# Altium PCB FisioV2.2.PcbDoc (continued)
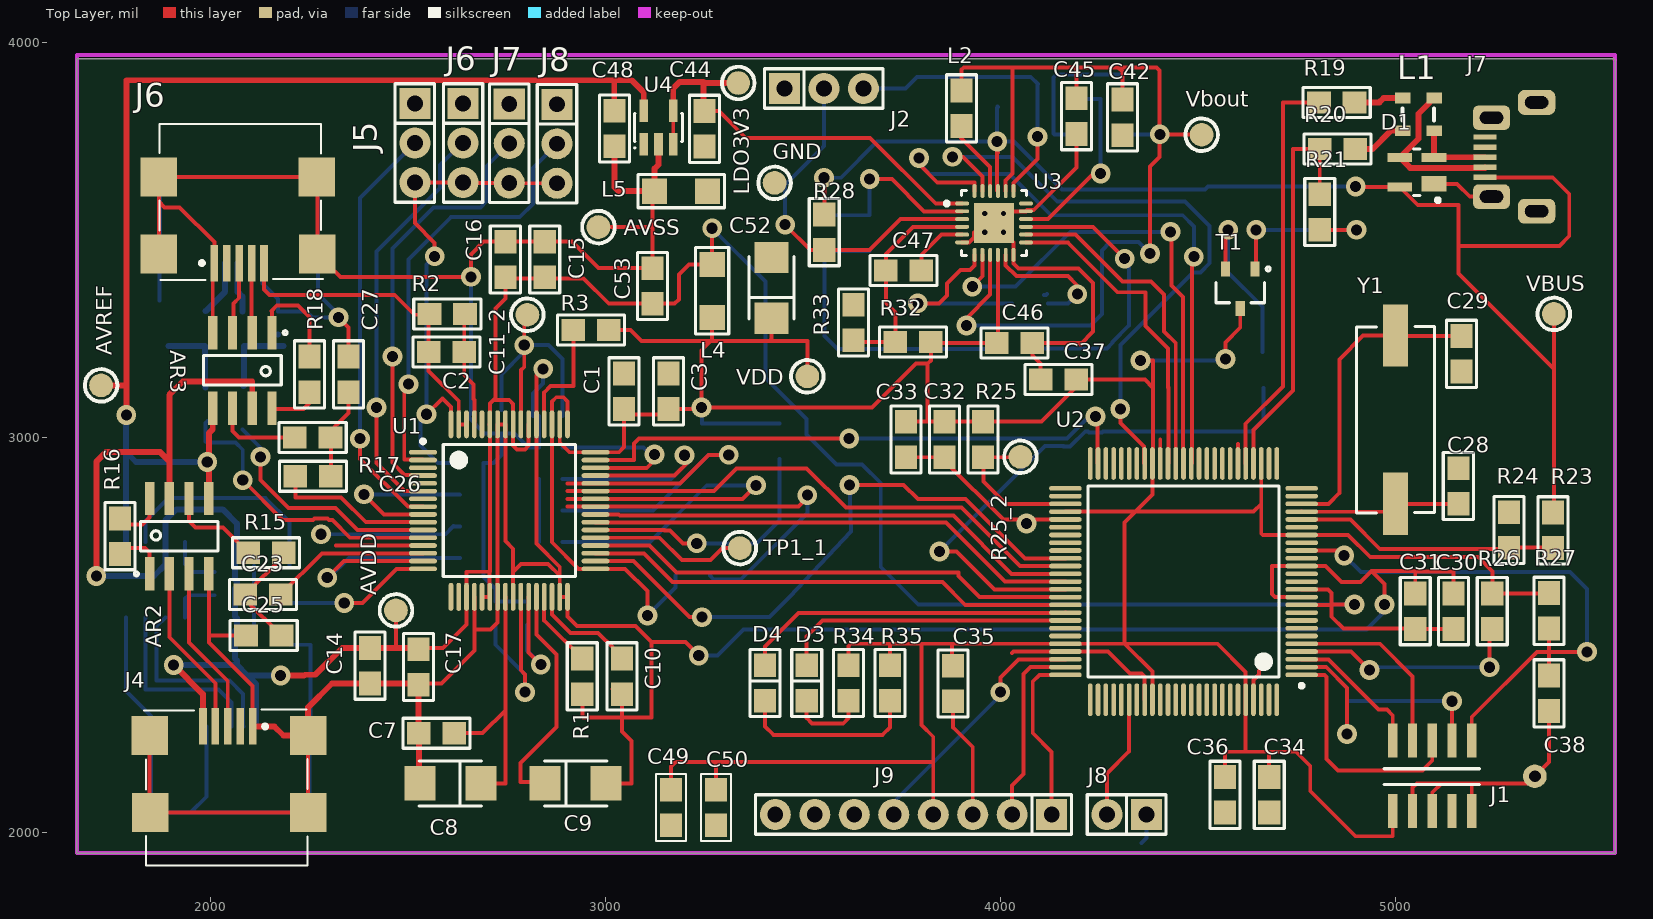
[diagram p0: Top Layer view]
## Nets (pads, with @x,y where several pads share a name; then routed paths per layer and width w, separated by ;. In a path a pad name is that pad's centre, name@x,y a point inside that pad or via, vN(x,y) a via of type N, cw(c..) or ccw(c..) an arc to the next point about the centre after c; other vN are vias at no path point) (continued)
  Bottom Layer w15: AR1.5 1785,3056 v1(1786,3057) ; 1785.43,2963 1810.43,2938 v1(1991,2938)
AVSS: AR1.4 AR2.4 AR3.4 AVSS.1 C4.2 C5.1 C6.1 C7.1 C8.2 C9.2 C10.1 C11.1 C12.1 C13.1 C14.2 C15.2 C16.2 C17.2 C20.2 C21.2 C24.2 C25.2 C27.2 C30.2 C31.2 C48.1 C51.1 C53.1 J3.4 J3.5 J3.6 J4.4 J4.5 J4.6 J6.4 J6.5 J6.6 J55.4 J55.5 J55.6 L5.1 R1.1 R4.2 R5.2 R6.2 R7.2 R10.1 U1.20 U1.23 U1.25 U1.31 U1.32 U1.53 U1.57 U1.58 U2.11 U2.15 U4.2 | length 15541.5
  Top Layer w10: J4.6@1845,2245 1845,2052 1847,2050 2246.74,2050 J4.5@2246.74,2245 ; J6.5@1868.26,3465 1868.26,3597.74 ; AR2.4 1995,2498 ; AR3.4 2005,3437.94 J6.4 2009.01,3494.99 1921,3583 1883,3583 1868.26,3597.74 ; C25.2 1995,2498 ; J4.4 2105.99,2370.01 1995,2481 1995,2498 ; v1(2323.53,3304.53) 2349,3279.05 C27.2 ; C17.2@2523,2377 2584,2377 2667.42,2460.42 2667.42,2514 ; C7.1@2526,2253 C7.1@2528,2251 ; U1.20 2667.42,2514 ; U1.25 2765.84,2659.84 ; v1(2842,3174) 2824.9,3156.9 U1.53 2824.9,2731.1 2883.95,2672.05 2883.95,2650.05 ; R1.1 2941,2293 2943,2291 3042,2291 ; AVSS.1 3119,3533 ; C9.2 3065.99,2123.99 3065.99,2231.01 3042,2255 3042,2291 ; C10.1@3018,2362.47 3042,2338.47 3042,2291 ; L5.1 3119,3619 3119,3533 ; v1(3236,2448) 3202,2482 3116,2482 ; U2.11 4696.11,2595.63 4688.37,2603.37 4688.37,2674.37 U2.15 4823.63,2674.37 4864,2634 4912,2634 4940,2662 ; v1(4973,2577) 4973,2629 4940,2662 ; C31.2 5051,2660 5052,2661 5147,2661 5148,2660 C30.2@5148,2603 ; 5061,2662 4940,2662 ; 1868.26,3597.74 1868.26,3660 2268,3660 2270,3658 2270,3465 2328,3407 v1(2659,3407) 2659,3464 2691,3496 C16.2 C15.2 2915,3496 2982,3429 C53.1 3119,3533 ; 2667.42,2514 2709,2514 2726.47,2531.47 U1.23 U1.58 U1.57 2746.16,2737.84 2765.84,2718.16 2765.84,2659.84 ; 2765.84,2659.84 2786,2680 2854,2680 2883.95,2650.05 ; 2883.95,2650.05 U1.31 U1.32 2903.64,2546.36 2928,2522 3076,2522 3116,2482 ; 3042,2291 3116,2291 3116,2482
  Top Layer w15: J4.4 2160.95,2268.05 2184,2245 2246.74,2245 2246.74,2316.74 2307,2377 C14.2 2523,2377 C17.2 C7.1@2526,2253 ; C7.1 2527,2127 C8.2 ; C48.1 3023,3634 3033,3624 L5.1 3124,3681 3134,3691 U4.2
  Bottom Layer w10: AR1.4 1785,2358 1848.26,2294.74 1848.26,2245 1848.26,2050 1949,2050 ; C24.2@1870,3347 1870,3465 1872,3467 1872,3660 2271.74,3660 2271.74,3465 2271.74,3363.26 v1@2323.53,3311.47 ; J3.4 1989.01,2090.01 1949,2050 ; J55.4@2130.99,3482.99 J55.4 2130.99,3390.01 2170,3351 2170,3319.53 2242.47,3319.53 2257.47,3304.53 v1(2323.53,3304.53) ; C20.2 2252,2475 J3.6@2252,2247 ; J3.6@2250,2245 2250,2052 2248,2050 1949,2050 ; v1(2659,3407) 2659,3061 2651,3053 2693.53,3010.47 C12.1@2736,3010.47 ; R10.1@2801,2584.53 2721,2584.53 C13.1 2721,2616 2690.53,2646.47 2690.53,2855 2690.53,2935 2716,2935 2736,2955 C12.1@2736,3010.47 ; C11.1 2816,3111 2842,3137 v1(2842,3174) ; R7.2@2831.47,2735 R5.2@2831.47,2895 ; C11.1@2831.47,3055 2831.47,2975 2805,2975 2769.53,3010.47 C12.1@2736,3010.47 ; v1(3236,2448) 3283,2448 3349,2514 4928,2514 4973,2559 v1(4973,2577)
BT_KEY: J9.5 U2.73 | length 640.4
  Top Layer w10: v1(4000,2355) 4000,2392 4046.15,2438.15 U2.73
  Bottom Layer w10: J9.5 3730,2077 v1@4004,2351
BT_RX: J9.2 U2.74 | length 481
  Top Layer w10: J9.2 4030,2119 4059,2148 4059,2401 4076.46,2418.46 U2.74
BT_TX: J9.1 U2.75 | length 446.6
  Top Layer w10: J9.1 4130,2203 4082,2251 4082,2382 4098.78,2398.78 U2.75
ECG+: J55.3 R13.1 | length 127.4
  Bottom Layer w15: J55.3 2068,3369 2080,3357 R13.1@2080,3319.53
ECG-: J55.2 R14.1 | length 142.4
  Bottom Layer w15: R14.1@1987,3320 2036.5,3369.5 J55.2
ECG_ACOND+: C19.2 U1.11 | length 610.8
  Top Layer w10: v1(2126,2951) 2126,2892 2197,2821 2316,2821 2371.21,2765.79 U1.11
  Bottom Layer w10: C19.2@2080,3020 2126,2974 v1(2126,2951)
EEG+: AR3.3 J6.3@2072,3441.93 | length 183.5
  Top Layer w10: AR3.3 2057,3267.47 2057,3339 2072,3354 J6.3@2072,3441.93
EEG-: AR3.2 J6.2@2103.5,3441.93 | length 177.1
  Top Layer w10: J6.2@2103.5,3441.93 2103.5,3266.98 AR3.2
EEG_ACOND: C26.2 U1.10 | length 402.8
  Top Layer w10: C26.2 2214,2849 2215,2848 2330,2848 2392.53,2785.47 U1.10
GND: C1.2 C3.2 C28.1 C29.1 C32.2 C33.2 C34.2 C35.2 C36.2 C37.2 C38.2 C41.2 C42.2 C44.1 C45.1 C46.2 C49.2 C50.2 C52.2 D1.1 GND.1 J1.3 J1.5 J1.9 J2.1 J7.4 J7.5 J7.6 J8.1@4370,2045 J9.3 L5.2 pad.2 R9.2 R24.1 R33.2 U1.33 U1.49 U1.51 U2.31 U2.41 U2.55 U2.72 U2.83 U2.97 U3.6 U3.12 U3.17 U3.25 | length 4568.6
  Top Layer w10: U1.49@2903.64,3067.64 U1.49 2903.64,3091.36 2893,3102 2875,3102 2864.27,3091.27 U1.51 2864.27,2734.73 2931.64,2667.36 U1.33 3049.64,2667.36 3106,2611 v1(3106,2549) ; C33.2 C32.2 ; C32.2@3859,2950 3859,2941 4007.52,2792.48 U2.55 ; C35.2 3880,2266 3930,2216 J9.3 ; U3.6 3920.33,3494.26 3933.01,3506.94 3933.01,3519.85 v2(3960.38,3519.85) v2(4007.62,3567.09) U3.25@4016.29,3575.76 ; U3.25 v2(4007.62,3519.85) 4033.21,3494.26 U3.12 4033.21,3440.29 4045.51,3428 4198,3428 4235,3391 4235,3268 4203,3236 ; U3.25@4013.53,3573 U3.17 4067.47,3575.76 4084.51,3575.76 4193,3684.25 C45.1 ; 4029,2454 4032.83,2457.83 U2.72 4231.17,2457.83 ; C46.2 4202,3239 ; C46.2@4081,3261 4081,3208 4102,3187 C37.2 ; 4231.17,2457.52 4272.48,2457.52 4328,2402 4358,2402 4365.57,2394.43 U2.83 ; U2.41 4404.94,2994.94 ; U2.31 4601.8,2984.2 ; U2.97 4641.17,2386.11 4655,2399.95 4655,2408 ; J1.3 5044,2113 5055,2124 5117,2124 ; D1.1@5075.3,3642.47 D1.1 5156.53,3642.47 5189,3610 J7.6@5244,3610 ; J1.5 5094,2101 5117,2124 ; J1.9 5194,2123 5193,2124 ; C38.2 5390,2178 pad.2 5336,2124 5193,2124 ; 5117,2124 5193,2124
  Bottom Layer w10: v1(3106,2549) 3177,2620 R9.2@3177,2651 ; 4358,1973 4370,1985 J8.1@4370,2045
  other v1: 4066,2782
  other v2: 3960.38,3567.09
JTAG_SWCLK: J1.4 U2.5 | length 477.7
  Top Layer w10: U2.5 4961.48,2477.52 5044,2395 J1.4
JTAG_SWDIO: J1.2 U2.3 | length 353.4
  Top Layer w10: U2.3 4830.85,2438.15 4958,2311 4979,2311 4994,2296 J1.2
JTAG_SWO: J1.6 U2.1 | length 613.4
  Top Layer w10: U2.1 4821.18,2398.78 4826.22,2393.74 4826.22,2185.78 4855,2157 5069,2157 5094,2182 J1.6
JTAG_TDI: J1.8 U2.2 | length 701.6
  Top Layer w10: U2.2 4825.54,2418.46 4878,2366 v1(4878,2249) ; J1.8 v1(5144,2332)
  Bottom Layer w10: v1(4878,2249) 4878,2331 4879,2332 v1(5144,2332)
LDO3V3: C44.2 LDO3V3.1 U3.1 U4.3 U4.4 | length 1136
  Top Layer w10: U4.3 U4.4 ; 3248,3900 3250,3898 ; C44.2 3287,3827 3355,3759 3670,3759 3836.31,3592.69 U3.1
  Top Layer w15: U4.4 3171.4,3884.4 3187,3900 3248,3900 C44.2@3248,3827 ; 3250,3898 LDO3V3.1
NetAR1_1: AR1.1 R12.1 | length 126
  Bottom Layer w10: AR1.1 1935,2592 1943.47,2600.47 R12.1@2010,2600.47
NetAR1_6: AR1.6 R11.1 | length 577.8
  Bottom Layer w10: AR1.6 1835,2789 1893,2847 2138,2847 2199,2786 R11.1
NetAR1_8: AR1.8 R12.2 | length 139.5
  Bottom Layer w10: AR1.8 1935,2679 1954.47,2659.53 R12.2@2010,2659.53
NetAR2_1: AR2.1 R16.1 | length 134.2
  Top Layer w10: R16.1@1770,2720.47 1833.53,2720.47 1845,2709 AR2.1
NetAR2_6: AR2.6 R15.1 | length 240.6
  Top Layer w10: AR2.6 1945,2788 1961,2772 2031,2772 R15.1
NetAR2_8: AR2.8 R16.2 | length 130.7
  Top Layer w10: R16.2@1770,2779.53 1827.53,2779.53 1845,2797 AR2.8
NetAR3_1: AR3.1 R18.1 | length 284.8
  Top Layer w10: AR3.1 2155,3320 2154,3321 2167,3334 2221,3334 2250,3305 R18.1@2250,3189.53
NetAR3_6: AR3.6 R17.1 | length 230.6
  Top Layer w10: AR3.6 2055,3016 2071,3000 R17.1@2220.47,3000
NetAR3_8: AR3.8 R18.2 | length 145.7
  Top Layer w10: AR3.8 2157.53,3072 2235,3072 2250,3087 R18.2@2250,3130.47
NetC2_1: C2.1 R2.2 U1.61 | length 290.9
  Top Layer w10: R2.2 2642,3311 C2.1 2642,3158 2665.53,3134.47 2665.53,3096.89 2667.42,3095 U1.61
NetC4_1: C4.1 J5.3 J6.3@2639,3646 J7.3@2756,3645 J8.3 U1.64 | length 1313.2
  Top Layer w10: v1(2546.29,3058.85) 2546.85,3058.85 2587,3099 2608.36,3077.64 U1.64 ; v1(2567,3459) 2567,3493 2517,3543 J5.3 2639,3646 2640,3645 2756,3645 2757,3644 J8.3
  Bottom Layer w10: v1(2567,3459) 2546.29,3438.29 v1(2546.29,3058.85) 2531,3043.56 2531,2980 2576,2935 C4.1@2631.47,2935
NetC5_2: C5.2 U1.13 | length 602.5
  Top Layer w10: 2316.58,2726.42 U1.13 U1.13@2557.5,2726.42
  Bottom Layer w10: v1(2279,2755) 2594,2755 2615,2776 C5.2 C5.2@2631.47,2775
NetC6_2: C6.2 U1.15 | length 616.1
  Top Layer w10: v1(2295,2645) 2337.05,2687.05 U1.15
  Bottom Layer w10: v1(2295,2645) 2300,2645 2350,2695 ; 2351,2695 C6.2 C6.2@2631.47,2695
NetC7_2: C7.2 C8.1 U1.24 | length 687.6
  Top Layer w10: C7.2 2688,2251 2746,2309 ; C8.1 2746,2124 2746,2309 ; U1.24 2746.16,2309.16 2746,2309
NetC9_1: C9.1 U1.28 | length 591.6
  Top Layer w10: U1.28 2824.9,2501.1 2876,2450 2876,2267 2785,2176 2785,2127 2843.99,2127 C9.1
NetC10_2: C10.2 U1.30 | length 277.9
  Top Layer w10: U1.30 2864.27,2551.73 2911,2505 2981,2505 3021,2465 C10.2@3021,2424.53
NetC11_2: C11.2 C11_2.1 C12.2 U1.55 | length 727.5
  Top Layer w10: U1.55 2785.53,3170.47 2794,3178.94 v1(2794,3234) 2794,3303 C11_2.1
  Bottom Layer w10: C12.2@2736,3069.53 2736,3160 2794,3218 v1(2794,3234) 2855,3234 2890.53,3198.47 C11.2@2890.53,3055
NetC13_2: C13.2 U1.26 | length 447.4
  Top Layer w10: U1.26 2785.53,2410.47 2796,2400 v1(2796,2355)
  Bottom Layer w10: C13.2@2721,2525.47 2721,2475 2796,2400 v1(2796,2355)
NetC18_1: C18.1 C20.1 R11.2 | length 200
  Bottom Layer w10: C20.1 C18.1 R11.2
NetC19_1: C19.1 C21.1 R13.2 | length 201.4
  Bottom Layer w15: C19.1 2084,3132 R13.2 C21.1
NetC22_1: C22.1 C24.1 R14.2 | length 197.8
  Bottom Layer w15: C24.1 R14.2 1985,3129 C22.1
NetC22_2: C22.2 U1.12 | length 768.2
  Top Layer w10: v1@2084,2895 v1(2081,2892) 2182,2791 2258.43,2791 2262.43,2795 2295.57,2795 2299.57,2791 2308,2791 2352.9,2746.1 U1.12
  Bottom Layer w10: C22.2 1987,2990 1990,2987 2063,2987 2081,2969 v1(2081,2892) ; C22.2@1991.5,3041.5 C22.2@2008.5,3041.5
NetC23_1: C23.1 C25.1 R15.2 | length 288.7
  Top Layer w10: C25.1 2087,2590 C23.1 2185,2700 R15.2
NetC26_1: C26.1 C27.1 R17.2 | length 232.5
  Top Layer w10: C26.1 2304,2999 R17.2 2303,3016 2349,3062 C27.1
NetC28_2: C28.2 U2.22 Y1.2 | length 405.1
  Top Layer w10: U2.22 4763.38,2812 4981,2812 Y1.2 C28.2
NetC29_2: C29.2 U2.23 Y1.1 | length 779.7
  Top Layer w10: U2.23 4830.85,2831.85 4859,2860 4859,3198 4919,3258 Y1.1 5002,3257 C29.2
NetC43_1: C43.1 R29.2 U3.2 | length 474.7
  Top Layer w10: v1(3669,3655) 3725,3655 3807,3573 U3.2
  Bottom Layer w10: R29.2 3668,3563 3669,3564 v1(3669,3655)
NetC43_2: C43.2 R29.1 R30.2 | length 788.7
  Bottom Layer w10: C43.2 R29.1 3554,3257 3587,3224 R30.2@3998,3224
NetC47_1: C47.1 U3.5 | length 164.4
  Top Layer w10: C47.1 3800,3463 3850.95,3513.95 U3.5
NetC47_2: C47.2 R32.2 R33.1 U3.4 | length 562.3
  Top Layer w10: R33.1@3628,3268 R33.1@3632,3264 ; R33.1@3632,3242 R32.2 3734,3317 3710,3341 C47.2 3710,3465 3778.63,3533.63 U3.4
NetC51_2: C51.2 U1.9 | length 414.4
  Top Layer w10: v1(2388,2856) 2438.84,2805.16 U1.9
  Bottom Layer w10: v1(2388,2856) 2630.47,2856 C51.2@2631.47,2855
NetD2_1: D2.1 R31.1 | length 432.9
  Bottom Layer w10: D2.1 4137,3768 4135,3770 4135,3912 4142,3919 4300,3919 4310,3909 R31.1
NetD2_2: D2.2 U3.16 | length 488.6
  Top Layer w10: U3.16 4120.32,3553.32 4236,3669 v1(4254,3669)
  Bottom Layer w10: D2.2 4253,3858 4254,3857 v1(4254,3669)
NetD3_1: D3.1 R34.1 | length 204
  Top Layer w10: D3.1 3509.5,2289.5 3523,2276 3602,2276 3615,2289 R34.1
NetD3_2: D3.2 U2.68 | length 745.4
  Top Layer w10: D3.2 3509.5,2496.5 3549.57,2536.57 U2.68
NetD4_1: D4.1 R35.1 | length 465.4
  Top Layer w10: D4.1 3404,2268 3425,2247 3702,2247 3720.5,2265.5 R35.1
NetD4_2: D4.2 U2.67 | length 844.1
  Top Layer w10: D4.2 3404,2471 3489,2556 4164.53,2556 U2.67
NetJ5_2: J5.2 U1.8 | length 1067.3
  Top Layer w10: v1(2378,2997) 2378,2946 2499.16,2824.84 U1.8
  Bottom Layer w10: v1(2378,2997) 2378,3607 J5.2
NetJ6_2: J6.2@2639,3746 U1.6 | length 1067.9
  Top Layer w10: v1(2420,3076) 2420,2935 2491,2864 2537.28,2864 U1.6
  Bottom Layer w10: v1(2420,3076) 2420,3471 2581,3632 2581,3690 2637,3746 J6.2@2657,3746
NetJ7_2: J7.2@2756,3745 U1.4 | length 1092.2
  Top Layer w10: v1(2460,3205) 2460,2936.13 2490.77,2905.36 2535.72,2905.36 U1.4
  Bottom Layer w10: v1(2460,3205) 2460,3479 2564,3583 2683,3583 2699,3599 2699,3688 J7.2@2756,3745
NetJ8_2: J8.2@2877,3744 U1.2 | length 1109.2
  Top Layer w10: v1(2501,3135) 2490.06,3124.06 2490.06,2945.44 2490.77,2944.73 2535.72,2944.73 U1.2
  Bottom Layer w10: v1(2501,3135) 2501,3451 2608,3558 2782,3558 2816,3592 2816,3683 J8.2@2877,3744
NetL2_1: L2.1 U3.22 | length 195.5
  Top Layer w10: L2.1@3900,3789 3900,3759 3974.16,3684.84 U3.22
NetL3_1: L3.1 U3.7 | length 467
  Top Layer w10: v1(3791,3340) 3845,3340 3865,3360 3865,3390 3899,3424 3923,3424 3934.79,3435.79 U3.7
  Bottom Layer w10: v1(3791,3340) 3970,3339 L3.1
NetL3_2: L3.2 U3.11 | length 344.3
  Top Layer w10: U3.11 4013.53,3435.94 4040.47,3409 4171,3409 4193,3387 v1@4193,3363
  Bottom Layer w10: L3.2@4110,3361 4116,3361 L3.2@4118,3363 ; L3.2 4171,3339 v1(4195,3363)
NetR1_2: R1.2 U1.29 | length 211.9
  Top Layer w10: U1.29 2844.58,2536.42 R1.2 R1.2@2941,2424.53
NetR3_1: R3.1 U1.52 | length 303.3
  Top Layer w10: U1.52 2844.58,3113.58 2861,3130 2919,3130 R3.1@2919,3272
NetR4_1: R4.1 U1.46 | length 412.6
  Top Layer w10: U1.46 3104.27,2923.27 3124,2943 v1(3124,2957)
  Bottom Layer w10: R4.1@2890.53,2975 3096,2975 3114,2957 v1(3124,2957)
NetR5_1: R5.1 U1.45 | length 604.7
  Top Layer w10: U1.45 3155,2904 3175,2904 v1@3216,2945
  Bottom Layer w10: R5.1@2890.53,2895 3166,2895 v1@3216,2945
  other v1: 3200,2955
NetR6_1: R6.1 U1.44 | length 918.2
  Top Layer w10: 2903.5,2883.9 3188.9,2883.9 3261,2956 v1(3312,2956)
  Bottom Layer w10: R6.1@2890.53,2815 3120,2815 3261,2956 v1(3312,2956)
NetR7_1: R7.1 U1.42 | length 1041.9
  Top Layer w10: 2903.5,2844.53 3346.53,2844.53 v1(3381,2879)
  Bottom Layer w10: R7.1@2890.53,2735 3112.21,2735 3256.21,2879 v1(3381,2879)
NetR8_1: R8.1 U1.38 | length 679.7
  Top Layer w10: U1.38 3149.21,2765.79 ; 3149.21,2765 3163,2765 3196,2732 v1(3231,2732)
  Bottom Layer w10: v1@3214,2745 3227,2732 3382,2732 3440,2790 ; 3440,2790.84 R8.1
NetR9_1: R9.1 U1.41 | length 980.6
  Top Layer w10: 2903.5,2824.84 3488.84,2824.84 v1@3509,2845
  Bottom Layer w10: R9.1@3264,2650 3273,2641 3343,2641 3511,2809 v1(3511,2854) v1@3510,2855
NetR10_2: R10.2 U1.27 | length 299.2
  Top Layer w10: U1.27 2805.21,2455.79 v1(2836,2425)
  Bottom Layer w10: R10.2@2801,2525.47 2801,2460 v1(2836,2425)
NetR21_1: R21.1 T1.1 | length 447.2
  Top Layer w10: T1.1 4648,3430 v1(4648,3526) ; R21.1 v1(4902,3526)
  Bottom Layer w10: v1(4648,3526) v1(4902,3526)
NetR22_1: R22.1 T1.2 | length 437.6
  Top Layer w10: T1.2 4570.2,3516.2 v1@4577,3523
  Bottom Layer w10: v1@4576,3524 4577,3523 4577,3418 4660,3335 ; R22.1 4664,3331
  other v1: 4577,3526
NetR22_2: R22.2 U2.64 | length 1400.3
  Top Layer w10: v1(3846,2711) 3889.04,2711 3984.73,2615.32 U2.64
  Bottom Layer w10: v1(3846,2711) 4113,2978 4159.72,2978 4160.22,2977.5 4176.78,2977.5 4177.28,2978 4178.04,2978 4215.04,3015 4222.43,3015 4224.43,3013 4257.57,3013 4259.57,3015 4636,3015 4667,3046 R22.2@4667,3126
NetR23_1: R23.1 R24.2 U2.21 | length 670.1
  Top Layer w10: U2.21 4886.52,2792.48 4961,2718 R24.2@5290,2718 ; R24.2 5399,2721 R23.1
NetR25_2: R25.2 R25_2.1 U2.53 | length 385.1
  Top Layer w10: R25.2 4050,2950 R25_2.1 ; R25.2@3960,2946 3957,2943 3957,2889 4014.15,2831.85 U2.53
NetR26_1: R26.1 U2.4 | length 595.1
  Top Layer w10: U2.4 4888.17,2457.83 v1(4935,2411) ; v1(5239,2418) R26.1@5239,2515
  Bottom Layer w10: v1(4935,2411) 4942,2418 v1(5239,2418)
NetR30_1: R30.1 U3.15 | length 696.4
  Top Layer w10: U3.15 4234.37,3533.63 v1(4315,3453)
  Bottom Layer w10: R30.1@4112,3226 4270,3226 4284,3240 4284,3242.28 4326,3284.28 4326,3431 4315,3442 v1(4315,3453)
NetTP1_1: TP1_1.1 U1.37 | length 401.2
  Top Layer w10: U1.37 3136.94,2746.1 3193.04,2690 3266,2690 3296,2720 TP1_1.1
NetU1_1: U1.1
NetU1_3: U1.3
NetU1_5: U1.5
NetU1_7: U1.7
NetU1_34: U1.34 U2.60 | length 1551
  Top Layer w10: U1.34 3070.95,2687.05 3213,2545 v1(3244,2545) v1@3244,2555 ; v1(3618,2880) 3755,2880 3790.94,2844.06 3911.94,2844.06 4061.94,2694.06 U2.60
  Bottom Layer w10: v1(3244,2545) 3415,2545 3466,2596 3621.76,2762.02 v1(3618,2880)
NetU1_39: U1.39 U2.63 | length 1252.9
  Top Layer w10: U1.39 2974.5,2785 3862,2785 4012,2635 U2.63
NetU1_40: U1.40 U2.62 | length 1252.6
  Top Layer w10: U1.40 3032.84,2805.16 3036,2802 3881,2802 4028.32,2654.68 U2.62
NetU1_43: U1.43 U2.61 | length 1387.8
  Top Layer w10: 2903.5,2864.21 3274.21,2864.21 3332,2922 3509,2922 3608.84,2822.16 3901.88,2822.16 4049.67,2674.37 U2.61
NetU1_47: U1.47 U2.49 | length 1458.6
  Top Layer w10: U1.47 3071.95,2942.95 3071.95,2984.95 3084.5,2997.5 v1(3617,2997.5) ; v1(4241,3053) 4245.69,3048.32 4245.69,2935.99 U2.49
  Bottom Layer w10: v1(3617,2997.5) 4104.22,2997.5 4104.72,2998 4168,2998 4168.5,2997.5 4224,3053 v1(4241,3053)
NetU2_37: U2.37 U3.24 | length 1576.8
  Top Layer w10: v1(3794,3708) 3794,3692.42 3840.21,3646.21 3934.79,3646.21 U3.24 ; U2.37@4484,2934.21 4485.46,2935.68 4485.46,3453.46 v1(4490,3458)
  Bottom Layer w10: v1(3794,3708) 3794,3693.85 3820.42,3667.42 4023.58,3667.42 4128,3563 4462,3563 4490,3535 v1(4490,3458)
NetU2_38: U2.38 U3.8 | length 1252.5
  Top Layer w10: v1(3929,3382) 3929,3383 3954.47,3408.47 U3.8 ; v1(4431,3521) 4433,3521 4433,3385.04 4462.22,3355.82 4462.22,2935.99 U2.38
  Bottom Layer w10: v1(3929,3382) 4038,3382 4177,3521 4187,3521 v1(4431,3521)
NetU2_39: U2.39 U3.14 | length 853.2
  Top Layer w10: U3.14 4190.06,3513.95 4309,3395 4382,3395 4415,3362 4415,3268.22 4444.31,3238.91 U2.39
NetU2_40: U2.40 U3.13 | length 813.7
  Top Layer w10: U3.13 4170.78,3494.26 4297.04,3368 4368,3368 4368,3282 4425,3225 4425,3127 ; U2.40 4426.41,2935.99 4426.41,3127
NetU2_43: U2.43 U3.23 | length 1588.6
  Top Layer w10: v1(3879,3711) 3905,3711 3954.47,3661.53 U3.23 ; v1(4304,3072) 4304,3036.86 4363.8,2977.06 4363.8,2935.99 U2.43
  Bottom Layer w10: v1(3879,3711) 4031.04,3711 4144.04,3598 4468,3598 4530,3536 4530,3441.43 4506.57,3418 4488,3418 4304,3234 v1(4304,3072)
NTC: J2.2 R28.2 U3.3 | length 892.8
  Top Layer w10: v1(3455,3539) 3519,3475 R28.2 3669,3475 3747.32,3553.32 U3.3
  Bottom Layer w10: v1(3455,3539) 3455,3640 3553,3738 J2.2
PA1+: AR1.2 J3.2 | length 485.3
  Bottom Layer w10: AR1.2 1863,2522.53 1863,2384 2048,2384 2082,2350 2082,2269.56 J3.2
PA1-: AR1.3 J3.3 | length 474.1
  Bottom Layer w10: AR1.3 1835,2362 2019,2362 2052,2329 J3.3
PA1_ACOND: C18.2 U1.16 | length 374.7
  Top Layer w10: v1(2338,2581) 2384,2581 2470.36,2667.36 U1.16
  Bottom Layer w10: C18.2 2200,2581 v1(2338,2581)
PA2+: AR2.2 J4.2 | length 434.7
  Top Layer w10: AR2.2 1895,2494 2011.5,2377.5 J4.2
PA2-: AR2.3 J4.3 | length 427.1
  Top Layer w10: AR2.3 1945,2481 2043,2383 J4.3
PA2_ACOND: C23.2 U1.14 | length 403.9
  Top Layer w10: C23.2 2281.73,2706.73 U1.14
PEDAL: J8.2@4270,2045 U2.81 | length 314.1
  Top Layer w10: J8.2@4270,2045 4270,2149 4326.2,2205.2 U2.81
RESET: C38.1 J1.10 R27.1 U2.17 | length 1461.3
  Top Layer w10: U2.17 4858.26,2713.74 v1(4871,2701) ; J1.10 5194,2292 5359,2457 v1(5486,2457) ; C38.1 R27.1
  Bottom Layer w10: v1(4871,2701) 4913,2659 5443,2659 5486,2616 v1(5486,2457)
RLD: C2.2 J6.1@2134.99,3441.93 J55.1 R2.1 U1.62 U1.63 | length 839.1
  Top Layer w10: J6.1@2134.99,3441.93 2134.99,3375.01 2149,3361 2466,3361 2516,3311 2552,3311 C2.2 2552,3169 2628.05,3092.95 U1.63 U1.62
U_N: D1.3 J7.2@5227.53,3684.41 L1.4 | length 414.8
  Top Layer w15: L1.4 5059,3820 5059,3756.71 D1.3 5038,3683.09 5227.53,3683.09 J7.2@5227.53,3684.41
U_P: D1.2 J7.3@5227.53,3710 L1.1 | length 197.4
  Top Layer w15: L1.1 5098.31,3776.31 D1.2 5098.91,3710 J7.3@5227.53,3710
US_N: L1.3 R19.1 | length 126.6
  Top Layer w15: R19.1 4960,3849 4971,3860 L1.3
US_P: L1.2 R20.1 | length 139.1
  Top Layer w15: R20.1 4943,3731 4989,3777 L1.2
USB_N: R19.2 U2.30 | length 1044.9
  Top Layer w10: U2.30 4621.48,3034.84 4716,3129.36 4716,3849 R19.2
USB_P: R20.2 R21.2 U2.29 | length 1025.1
  Top Layer w10: U2.29 4641.17,3019.17 4741,3119 4741,3731 R20.2 R21.2@4809,3612
VBAT: J2.3 U3.19 | length 757.9
  Top Layer w10: U3.19 4033.21,3645.21 4094,3706 v1(4094,3762)
  Bottom Layer w10: J2.3 3760,3884 3789,3913 4077,3913 4095,3895 4094,3894 v1(4094,3762)
VBOUT: C42.1 C45.2 L2.2 R31.2 U3.9 U3.20 Vbout.1 | length 2579.9
  Top Layer w10: L2.2 3902,3932 3907.53,3937.53 4193,3937.53 ; v1(3914,3284) 3914,3302 3974.16,3362.16 U3.9 ; U3.20 4013.53,3651.53 4030.84,3668.84 4030.84,3935.37 ; C45.2 4193,3937.53 ; C42.1 4309,3927 4298.47,3937.53 ; v1(4379,3466) 4379,3687 4403,3711 v1@4403,3767 ; Vbout.1 v1@4403,3767 ; 4193,3937.53 4298.47,3937.53 ; 4298.47,3937.53 4395.47,3937.53 4403,3930 v1@4403,3767
  Bottom Layer w10: v1(3914,3284) 4228,3284 4257,3313 4257,3474 4278,3495 4350,3495 v1(4379,3466) ; R31.2 4311,3768 v1(4404,3768)
VBUS: C41.1 D1.4 J7.1@5227.53,3658.82 R23.2 R28.1 U3.21 VBUS.1 | length 3700.3
  Top Layer w10: v1(3553,3658) 3554,3657 R28.1 ; U3.21 3992,3626.02 v1(3992,3750) 3992,3724 3994,3722 ; v1(4900,3636) 4901.4,3634.6 D1.4 5057.29,3589 5161,3589 ; 5161,3588 5161,3485 ; J7.1@5227.53,3658.82 5399.18,3658.82 5441,3617 5441,3510 5416,3485 5161,3485 ; R23.2 5402,2812 VBUS.1 ; 5400,3176 5161,3415 5161,3485
  Bottom Layer w10: v1(3553,3658) 3596,3658 3688,3750 v1(3992,3750) ; C41.1 3993.84,3837.16 3992,3835.31 v1(3992,3750) ; v1(4900,3636) 4526,3636 4518,3628 4156,3628 4034,3750 v1(3992,3750)
VDD: C1.1 C3.1 C32.1 C33.1 C34.1 C35.1 C36.1 C37.1 C46.1 C49.1 C50.1 C52.1 J1.1 J9.4 L4.1 R3.2 R8.2 R25.1 R26.2 R27.2 R32.1 R34.2 R35.2 T1.3 U1.48 U1.50 U2.19 U2.28 U2.42 U2.54 U2.71 U2.84 U2.96 U3.10 VDD.1 | length 9757.1
  Top Layer w10: U1.50 2883.95,2987.05 2908.36,2962.64 U1.48 3033.64,2962.64 3047,2976 3047,3058 3145,3058 C3.1 3239,3072 v1(3243,3076) ; R3.2 3063,3272 3091,3244 3266,3244 ; C49.1 3166,2167 3177,2178 3280,2178 ; L4.1 3270,3248 3266,3244 ; C50.1 3280,2178 ; C52.1 3420,3249 3415,3244 ; VDD.1 3511,3244 3415,3244 ; R34.2 3615,2472 3620.52,2477.52 3719,2477.52 ; R35.2 3720.5,2476.02 3719,2477.52 ; C33.1 C32.1 R25.1 4104,3040 4192,3128 C37.1 4366,3147 4387.04,3125.96 ; 3816,3040 3816,3187 ; R32.1@3824,3264 3824,3195 3816,3187 ; R32.1@3827,3239 C46.1 ; J9.4 3830,2178 ; C35.1@3877,2422 3877,2477.52 ; C46.1@3991,3261 3993.84,3263.84 U3.10 ; U2.54 4342.17,2812.17 ; v1(4355,3195) 4387,3195 4387.04,3195.04 4387.04,3125.96 ; U2.84 4385.26,2406.74 4314.48,2477.52 ; C36.1 4569,2204 4680,2204 ; v1(4570,3199) 4570,3241 4607.6,3278.6 T1.3 ; 4621.48,2205 U2.96 4621.48,2406.52 4550.48,2477.52 4314.48,2477.52 ; U2.28 4660.85,2831.85 ; C34.1 4681,2203 4680,2204 ; J1.1 4994,1990 4900,1990 4785,2105 4785,2168 4749,2204 4680,2204 ; R26.2 R26.2@5247,2605 ; R27.2@5389,2605 R26.2@5247,2605 ; v1(3243,3076) 3243,3221 3266,3244 ; v1(3243,3076) 3675,3076 3786,3187 3816,3187 ; 3266,3244 3415,3244 ; 3280,2178 3830,2178 ; 3719,2477.52 3797,2477.52 ; 3797,2477.52 3877,2477.52 ; 3797,2477.52 3800,2474.52 3800,2272 3830,2242 3830,2178 ; 3877,2477.52 U2.71 4314.48,2477.52 ; 4314.48,2477.52 4314.48,2784.48 4342.17,2812.17 ; 4342.17,2812.17 4385.26,2855.26 U2.42 4387.04,2935.99 4387.04,3125.96 ; 4342.17,2812.17 4641.17,2812.17 4660.85,2831.85 ; 4660.85,2831.85 4660.85,2757.15 4664.89,2753.11 U2.19 4880.89,2753.11 4937,2697 5211,2697 5247,2661 R26.2@5247,2605
  Bottom Layer w10: v1(3243,3076) 3244,3075 3244,3035 R8.2 ; v1(4355,3195) 4566,3195 v1(4570,3199)
pads on no net: J1.7 J3.7 J4.7 J5.1 J6.1@2639,3846 J6.7 J7.0 J7.1@2756,3845 J8.1@2877,3844 J9.6 J9.7 J9.8 J55.7 U1.17 U1.18 U1.60 U2.6 U2.7 U2.8 U2.9 U2.13 U2.14 U2.16 U2.18 U2.20 U2.24 U2.25 U2.26 U2.27 U2.32 U2.33 U2.34 U2.35 U2.36 U2.44 U2.45 U2.46 U2.47 U2.48 U2.50 U2.51 U2.52 U2.56 U2.57 U2.58 U2.59 U2.69 U2.70 U2.76 U2.77 U2.78 U2.79 U2.80 U2.82 U2.85 U2.86 U2.87 U2.88 U2.89 U2.90 U2.91 U2.92 U2.93 U2.94 U2.95 U2.98 U2.99 U2.100 U3.18 U4.1
copper on no net: | length 4.2
  Top Layer w10: 5554,3959 5557,3956

## Polygon pours and split planes (outlines as drawn)
GND on Top Layer "Top Layer-No Net" (solid, shelved, pour order 18): 1661,3969 5557,3969 5557,1947 1661,1947
GND on Bottom Layer "Top Layer-No Net" (solid, shelved, pour order 20): 1661,3969 5557,3969 5557,1947 1661,1947

## Keep-outs
Keep-Out Layer:
  lines w10: 1661,1947 1661,3969 5557,3969 5557,1947 1661,1947

## Silkscreen, mask and mechanical layers (free items; w line width, h text height)
Mechanical 1:
  text "supply star" at 4273,3157 h30
  text "supply star" at 3772,2124 h30